# Altium PCB Main_Board.PcbDoc (part 6 of 19)
Units mil, origin at the board's own origin, x right, y up, seen from the top; angles counter-clockwise.
Board outline 5306 x 6610 mil, 12 copper layers ((L1) Top, (L2) Inner 1, (L3) Inner 2, (L4) Inner 3, (L5) Inner 4, (L6) Inner 5, (L7) Inner 6, (L8) Inner 7, (L9) Inner 8, (L10) Inner 9, (L11) Inner 10, (L12) Bottom), stack 94.81 mil thick; 347 components, 571 nets, 2611 pads, 4053 vias.
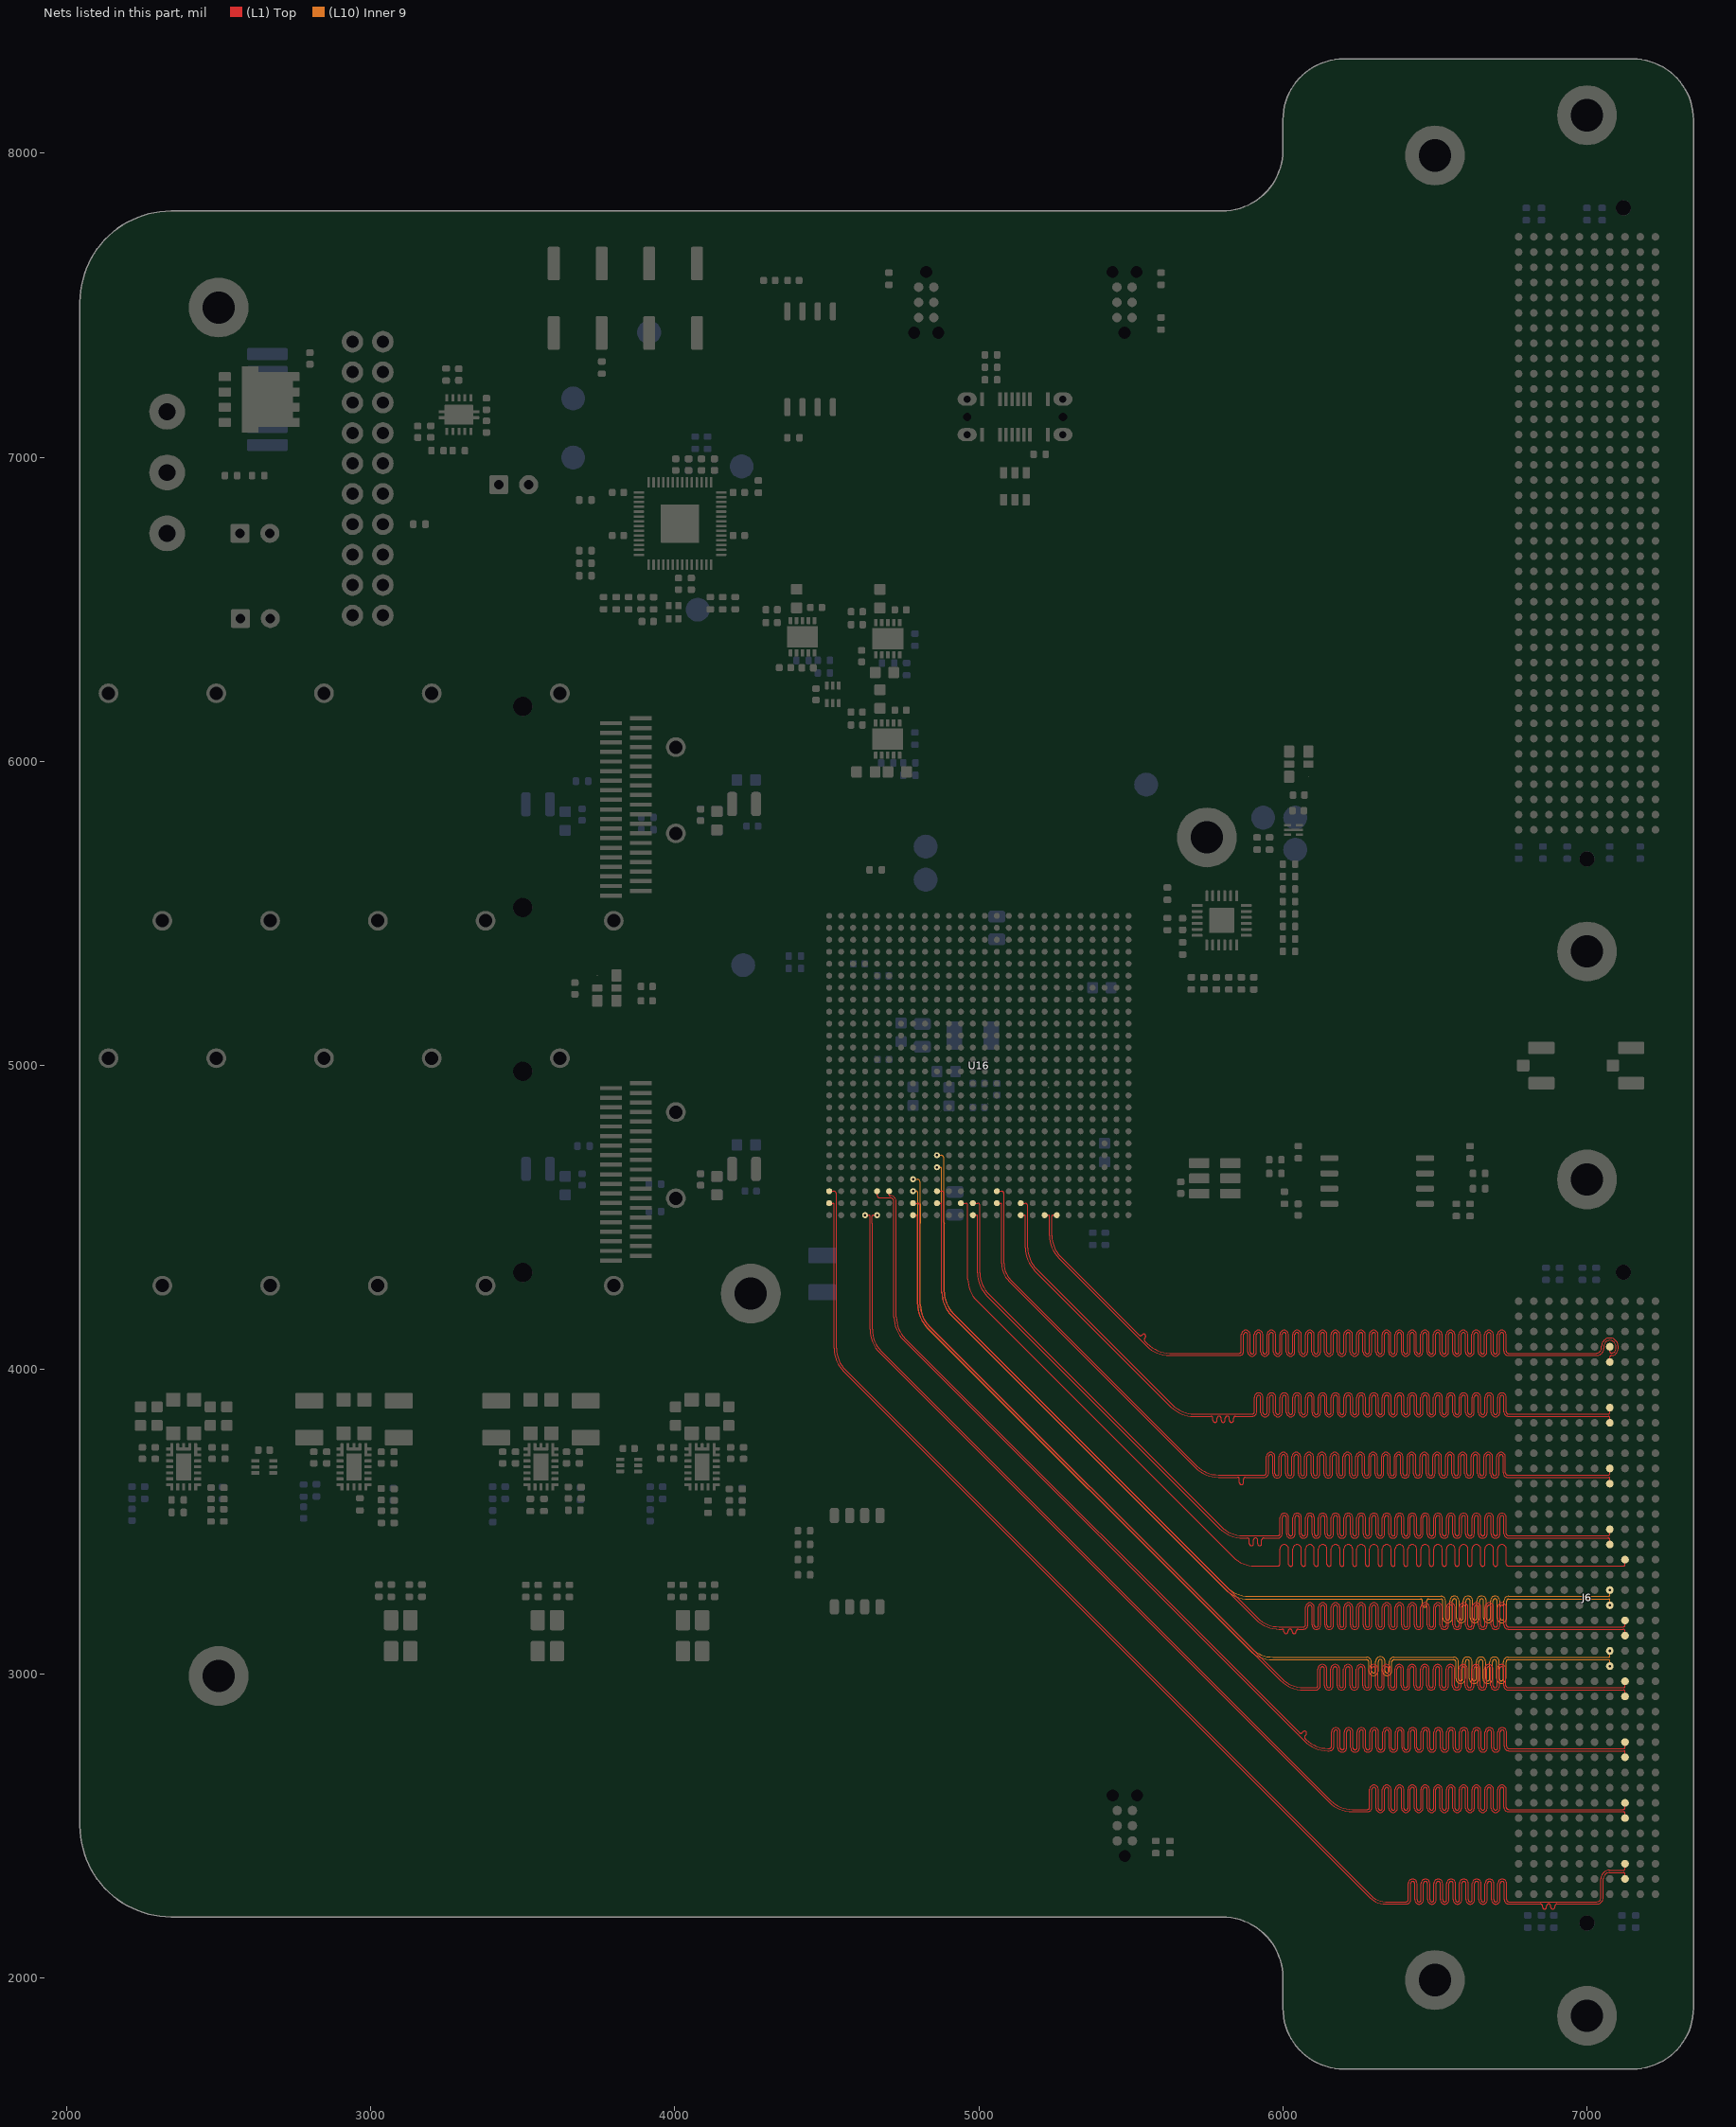
[diagram p16: the nets of this part, all layers, seen from the top]

## Via types
v1: diameter 13.78, hole 7.87, (L1) Top to (L12) Bottom, tented both sides, 4044 vias
v2: diameter 13.78, hole 7.87, (L1) Top to (L12) Bottom, tented bottom, 9 vias

## Nets (pads, with @x,y where several pads share a name; then routed paths per layer and width w, separated by ;. In a path a pad name is that pad's centre, name@x,y a point inside that pad or via, vN(x,y) a via of type N, cw(c..) or ccw(c..) an arc to the next point about the centre after c; other vN are vias at no path point) (continued)
HPCC_A_10_P: J6.C18 U16.AE12 | length 5095.3
  (L1) Top w3.5: U16.AE12@4940.94,4547.24 4956.71,4547.24 cw(c4956.71,4540.6) 4963.35,4540.6 4963.35,4481.45 4963.55,4481.25 4963.55,4297.87 ccw(c5063.55,4297.87) 4992.84,4227.16 5836.71,3383.29 ccw(c5907.42,3454) 5907.42,3354 5978,3354 5983.53,3354 ccw(c5983.53,3360.75) 5990.28,3360.75 5990.28,3410.09 cw(c6004.58,3410.09) 6018.88,3410.09 6018.88,3359.85 ccw(c6025.63,3359.85) 6032.38,3359.85 6032.38,3410.09 cw(c6046.68,3410.09) 6060.98,3410.09 6060.98,3359.85 ccw(c6067.73,3359.85) 6074.48,3359.85 6074.48,3410.09 cw(c6088.78,3410.09) 6103.08,3410.09 6103.08,3359.85 ccw(c6109.83,3359.85) 6116.58,3359.85 6116.58,3410.09 cw(c6130.88,3410.09) 6145.18,3410.09 6145.18,3359.85 ccw(c6151.93,3359.85) 6158.68,3359.85 6158.68,3410.09 cw(c6172.98,3410.09) 6187.28,3410.09 6187.28,3359.85 ccw(c6194.03,3359.85) 6200.78,3359.85 6200.78,3410.09 cw(c6215.08,3410.09) 6229.38,3410.09 6229.38,3359.85 ccw(c6236.13,3359.85) 6242.88,3359.85 6242.88,3410.09 cw(c6257.18,3410.09) 6271.48,3410.09 6271.48,3359.85 ccw(c6278.23,3359.85) 6284.98,3359.85 6284.98,3410.09 cw(c6299.28,3410.09) 6313.58,3410.09 6313.58,3359.85 ccw(c6320.33,3359.85) 6327.08,3359.85 6327.08,3410.09 cw(c6341.38,3410.09) 6355.68,3410.09 6355.68,3359.85 ccw(c6362.43,3359.85) 6369.18,3359.85 6369.18,3410.09 cw(c6383.48,3410.09) 6397.78,3410.09 6397.78,3359.85 ccw(c6404.53,3359.85) 6411.28,3359.85 6411.28,3410.09 cw(c6425.58,3410.09) 6439.88,3410.09 6439.88,3359.85 ccw(c6446.63,3359.85) 6453.38,3359.85 6453.38,3410.09 cw(c6467.68,3410.09) 6481.98,3410.09 6481.98,3359.85 ccw(c6488.73,3359.85) 6495.48,3359.85 6495.48,3410.09 cw(c6509.78,3410.09) 6524.08,3410.09 6524.08,3359.85 ccw(c6530.83,3359.85) 6537.58,3359.85 6537.58,3410.09 cw(c6551.88,3410.09) 6566.18,3410.09 6566.18,3359.85 ccw(c6572.93,3359.85) 6579.68,3359.85 6579.68,3410.09 cw(c6593.98,3410.09) 6608.28,3410.09 6608.28,3359.85 ccw(c6615.03,3359.85) 6621.78,3359.85 6621.78,3410.09 cw(c6636.08,3410.09) 6650.38,3410.09 6650.38,3359.85 ccw(c6657.13,3359.85) 6663.88,3359.85 6663.88,3410.09 cw(c6678.18,3410.09) 6692.48,3410.09 6692.48,3359.85 ccw(c6699.23,3359.85) 6705.98,3359.85 6705.98,3410.09 cw(c6720.28,3410.09) 6734.58,3410.09 6734.58,3360.75 ccw(c6741.33,3360.75) 6741.33,3354 6781,3354 7120,3354 ccw(c7120,3359) 7125,3359 J6.C18@7125,3375
HPCC_A_11_N: J6.C23 U16.AE10 | length 5333.5
  (L1) Top w3.5: U16.AE10@4862.2,4547.24 4873.69,4547.24 cw(c4873.69,4542.94) 4878,4542.94 4878,4255.87 ccw(c4985.55,4255.87) 4909.5,4179.82 5911.37,3177.95 ccw(c5987.42,3254) 5977.92,3146.87 ccw(c5987.42,3254) 5979.67,3146.73 5987.42,3146.45 5996.55,3146.45 cw(c5996.55,3139.7) 6003.3,3139.7 6003.3,3138.78 ccw(c6010.05,3138.78) 6016.8,3138.78 6016.8,3139.9 cw(c6023.55,3139.9) 6030.3,3139.9 6030.3,3138.78 ccw(c6037.05,3138.78) 6043.8,3138.78 6043.8,3139.7 cw(c6050.55,3139.7) 6050.55,3146.45 6061.69,3146.45 6062.19,3146.45 6067.71,3146.45 ccw(c6067.71,3160.75) 6082.01,3160.75 6082.01,3218.39 cw(c6088.76,3218.39) 6095.51,3218.39 6095.51,3160.01 ccw(c6109.81,3160.01) 6124.11,3160.01 6124.11,3218.39 cw(c6130.86,3218.39) 6137.61,3218.39 6137.61,3160.01 ccw(c6151.91,3160.01) 6166.21,3160.01 6166.21,3218.39 cw(c6172.96,3218.39) 6179.71,3218.39 6179.71,3160.01 ccw(c6194.01,3160.01) 6208.31,3160.01 6208.31,3218.39 cw(c6215.06,3218.39) 6221.81,3218.39 6221.81,3160.01 ccw(c6236.11,3160.01) 6250.41,3160.01 6250.41,3218.39 cw(c6257.16,3218.39) 6263.91,3218.39 6263.91,3160.01 ccw(c6278.21,3160.01) 6292.51,3160.01 6292.51,3218.39 cw(c6299.26,3218.39) 6306.01,3218.39 6306.01,3160.01 ccw(c6320.31,3160.01) 6334.61,3160.01 6334.61,3218.39 cw(c6341.36,3218.39) 6348.11,3218.39 6348.11,3160.01 ccw(c6362.41,3160.01) 6376.71,3160.01 6376.71,3218.39 cw(c6383.46,3218.39) 6390.21,3218.39 6390.21,3160.01 ccw(c6404.51,3160.01) 6418.81,3160.01 6418.81,3218.39 cw(c6425.56,3218.39) 6432.31,3218.39 6432.31,3160.01 ccw(c6446.61,3160.01) 6460.91,3160.01 6460.91,3218.39 cw(c6467.66,3218.39) 6474.41,3218.39 6474.41,3160.01 ccw(c6488.71,3160.01) 6503.01,3160.01 6503.01,3218.39 cw(c6509.76,3218.39) 6516.51,3218.39 6516.51,3160.01 ccw(c6530.81,3160.01) 6545.11,3160.01 6545.11,3218.39 cw(c6551.86,3218.39) 6558.61,3218.39 6558.61,3160.01 ccw(c6572.91,3160.01) 6587.21,3160.01 6587.21,3218.39 cw(c6593.96,3218.39) 6600.71,3218.39 6600.71,3160.01 ccw(c6615.01,3160.01) 6629.31,3160.01 6629.31,3218.39 cw(c6636.06,3218.39) 6642.81,3218.39 6642.81,3160.01 ccw(c6657.11,3160.01) 6671.41,3160.01 6671.41,3218.39 cw(c6678.16,3218.39) 6684.91,3218.39 6684.91,3160.01 ccw(c6699.21,3160.01) 6713.51,3160.01 6713.51,3218.39 cw(c6720.26,3218.39) 6727.01,3218.39 6727.01,3160.75 ccw(c6741.31,3160.75) 6741.31,3146.45 6777,3146.45 7119,3146.45 cw(c7119,3140.45) 7125,3140.45 J6.C23@7125,3125
HPCC_A_11_P: J6.C22 U16.AD10 | length 5331.5
  (L1) Top w3.5: U16.AD10@4862.2,4586.61 4877.37,4586.61 cw(c4877.37,4578.64) 4885.35,4578.64 4885.35,4481.45 4885.55,4481.25 4885.55,4255.87 ccw(c4985.55,4255.87) 4914.84,4185.16 5916.71,3183.29 ccw(c5987.42,3254) 5987.42,3154 6062.19,3154 6067.71,3154 ccw(c6067.71,3160.75) 6074.46,3160.75 6074.46,3218.39 cw(c6088.76,3218.39) 6103.06,3218.39 6103.06,3160.01 ccw(c6109.81,3160.01) 6116.56,3160.01 6116.56,3218.39 cw(c6130.86,3218.39) 6145.16,3218.39 6145.16,3160.01 ccw(c6151.91,3160.01) 6158.66,3160.01 6158.66,3218.39 cw(c6172.96,3218.39) 6187.26,3218.39 6187.26,3160.01 ccw(c6194.01,3160.01) 6200.76,3160.01 6200.76,3218.39 cw(c6215.06,3218.39) 6229.36,3218.39 6229.36,3160.01 ccw(c6236.11,3160.01) 6242.86,3160.01 6242.86,3218.39 cw(c6257.16,3218.39) 6271.46,3218.39 6271.46,3160.01 ccw(c6278.21,3160.01) 6284.96,3160.01 6284.96,3218.39 cw(c6299.26,3218.39) 6313.56,3218.39 6313.56,3160.01 ccw(c6320.31,3160.01) 6327.06,3160.01 6327.06,3218.39 cw(c6341.36,3218.39) 6355.66,3218.39 6355.66,3160.01 ccw(c6362.41,3160.01) 6369.16,3160.01 6369.16,3218.39 cw(c6383.46,3218.39) 6397.76,3218.39 6397.76,3160.01 ccw(c6404.51,3160.01) 6411.26,3160.01 6411.26,3218.39 cw(c6425.56,3218.39) 6439.86,3218.39 6439.86,3160.01 ccw(c6446.61,3160.01) 6453.36,3160.01 6453.36,3218.39 cw(c6467.66,3218.39) 6481.96,3218.39 6481.96,3160.01 ccw(c6488.71,3160.01) 6495.46,3160.01 6495.46,3218.39 cw(c6509.76,3218.39) 6524.06,3218.39 6524.06,3160.01 ccw(c6530.81,3160.01) 6537.56,3160.01 6537.56,3218.39 cw(c6551.86,3218.39) 6566.16,3218.39 6566.16,3160.01 ccw(c6572.91,3160.01) 6579.66,3160.01 6579.66,3218.39 cw(c6593.96,3218.39) 6608.26,3218.39 6608.26,3160.01 ccw(c6615.01,3160.01) 6621.76,3160.01 6621.76,3218.39 cw(c6636.06,3218.39) 6650.36,3218.39 6650.36,3160.01 ccw(c6657.11,3160.01) 6663.86,3160.01 6663.86,3218.39 cw(c6678.16,3218.39) 6692.46,3218.39 6692.46,3160.01 ccw(c6699.21,3160.01) 6705.96,3160.01 6705.96,3218.39 cw(c6720.26,3218.39) 6734.56,3218.39 6734.56,3160.75 ccw(c6741.31,3160.75) 6741.31,3154 6777,3154 7119,3154 ccw(c7119,3160) 7125,3160 J6.C22@7125,3175
HPCC_A_12_N: J6.C27 U16.AF8 | length 5210.4
  (L1) Top w3.5: U16.AF8@4783.46,4507.87 4792.13,4507.87 cw(c4792.13,4502) 4798,4502 4798,4215.87 ccw(c4905.55,4215.87) 4829.5,4139.82 5991.37,2977.95 ccw(c6067.42,3054) 6067.42,2946.45 6103.04,2946.45 6108.56,2946.45 ccw(c6108.56,2960.75) 6122.86,2960.75 6122.86,3015.86 cw(c6129.61,3015.86) 6136.36,3015.86 6136.36,2960.62 ccw(c6150.66,2960.62) 6164.96,2960.62 6164.96,3015.86 cw(c6171.71,3015.86) 6178.46,3015.86 6178.46,2960.62 ccw(c6192.76,2960.62) 6207.06,2960.62 6207.06,3015.86 cw(c6213.81,3015.86) 6220.56,3015.86 6220.56,2960.62 ccw(c6234.86,2960.62) 6249.16,2960.62 6249.16,3015.86 cw(c6255.91,3015.86) 6262.66,3015.86 6262.66,2960.62 ccw(c6276.96,2960.62) 6291.26,2960.62 6291.26,3015.86 cw(c6298.01,3015.86) 6304.76,3015.86 6304.76,2960.62 ccw(c6319.06,2960.62) 6333.36,2960.62 6333.36,3015.86 cw(c6340.11,3015.86) 6346.86,3015.86 6346.86,2960.62 ccw(c6361.16,2960.62) 6375.46,2960.62 6375.46,3015.86 cw(c6382.21,3015.86) 6388.96,3015.86 6388.96,2960.62 ccw(c6403.26,2960.62) 6417.56,2960.62 6417.56,3015.86 cw(c6424.31,3015.86) 6431.06,3015.86 6431.06,2960.62 ccw(c6445.36,2960.62) 6459.66,2960.62 6459.66,3015.86 cw(c6466.41,3015.86) 6473.16,3015.86 6473.16,2960.62 ccw(c6487.46,2960.62) 6501.76,2960.62 6501.76,3015.86 cw(c6508.51,3015.86) 6515.26,3015.86 6515.26,2960.62 ccw(c6529.56,2960.62) 6543.86,2960.62 6543.86,3015.86 cw(c6550.61,3015.86) 6557.36,3015.86 6557.36,2960.62 ccw(c6571.66,2960.62) 6585.96,2960.62 6585.96,3015.86 cw(c6592.71,3015.86) 6599.46,3015.86 6599.46,2960.62 ccw(c6613.76,2960.62) 6628.06,2960.62 6628.06,3015.86 cw(c6634.81,3015.86) 6641.56,3015.86 6641.56,2960.62 ccw(c6655.86,2960.62) 6670.16,2960.62 6670.16,3015.86 cw(c6676.91,3015.86) 6683.66,3015.86 6683.66,2960.62 ccw(c6697.96,2960.62) 6712.26,2960.62 6712.26,3015.86 cw(c6719.01,3015.86) 6725.76,3015.86 6725.76,2960.75 ccw(c6740.06,2960.75) 6740.06,2946.45 6801.67,2946.45 7120,2946.45 cw(c7120,2941.45) 7125,2941.45 J6.C27@7125,2925
HPCC_A_12_P: J6.C26 U16.AE8 | length 5244.6
  (L1) Top w3.5: U16.AE8@4783.46,4547.24 4798.77,4547.24 cw(c4798.77,4540.67) 4805.35,4540.67 4805.35,4481.45 4805.55,4481.25 4805.55,4215.87 ccw(c4905.55,4215.87) 4834.84,4145.16 5996.71,2983.29 ccw(c6067.42,3054) 6067.42,2954 6103.04,2954 6108.56,2954 ccw(c6108.56,2960.75) 6115.31,2960.75 6115.31,3015.86 cw(c6129.61,3015.86) 6143.91,3015.86 6143.91,2960.62 ccw(c6150.66,2960.62) 6157.41,2960.62 6157.41,3015.86 cw(c6171.71,3015.86) 6186.01,3015.86 6186.01,2960.62 ccw(c6192.76,2960.62) 6199.51,2960.62 6199.51,3015.86 cw(c6213.81,3015.86) 6228.11,3015.86 6228.11,2960.62 ccw(c6234.86,2960.62) 6241.61,2960.62 6241.61,3015.86 cw(c6255.91,3015.86) 6270.21,3015.86 6270.21,2960.62 ccw(c6276.96,2960.62) 6283.71,2960.62 6283.71,3015.86 cw(c6298.01,3015.86) 6312.31,3015.86 6312.31,2960.62 ccw(c6319.06,2960.62) 6325.81,2960.62 6325.81,3015.86 cw(c6340.11,3015.86) 6354.41,3015.86 6354.41,2960.62 ccw(c6361.16,2960.62) 6367.91,2960.62 6367.91,3015.86 cw(c6382.21,3015.86) 6396.51,3015.86 6396.51,2960.62 ccw(c6403.26,2960.62) 6410.01,2960.62 6410.01,3015.86 cw(c6424.31,3015.86) 6438.61,3015.86 6438.61,2960.62 ccw(c6445.36,2960.62) 6452.11,2960.62 6452.11,3015.86 cw(c6466.41,3015.86) 6480.71,3015.86 6480.71,2960.62 ccw(c6487.46,2960.62) 6494.21,2960.62 6494.21,3015.86 cw(c6508.51,3015.86) 6522.81,3015.86 6522.81,2960.62 ccw(c6529.56,2960.62) 6536.31,2960.62 6536.31,3015.86 cw(c6550.61,3015.86) 6564.91,3015.86 6564.91,2960.62 ccw(c6571.66,2960.62) 6578.41,2960.62 6578.41,3015.86 cw(c6592.71,3015.86) 6607.01,3015.86 6607.01,2960.62 ccw(c6613.76,2960.62) 6620.51,2960.62 6620.51,3015.86 cw(c6634.81,3015.86) 6649.11,3015.86 6649.11,2960.62 ccw(c6655.86,2960.62) 6662.61,2960.62 6662.61,3015.86 cw(c6676.91,3015.86) 6691.21,3015.86 6691.21,2960.62 ccw(c6697.96,2960.62) 6704.71,2960.62 6704.71,3015.86 cw(c6719.01,3015.86) 6733.31,3015.86 6733.31,2960.75 ccw(c6740.06,2960.75) 6740.06,2954 6801.67,2954 7120,2954 ccw(c7120,2959) 7125,2959 J6.C26@7125,2975
HPCC_A_13_N: J6.C31 U16.AD5 | length 5265.4
  (L1) Top w3.5: U16.AD5@4665.35,4586.61 4665.35,4573.55 ccw(c4674.25,4573.55) 4674.25,4564.65 4708,4564.65 cw(c4708,4551.65) 4721,4551.65 4721,4172.87 ccw(c4828.55,4172.87) 4752.5,4096.82 6071.37,2777.95 ccw(c6147.42,2854) 6147.42,2746.45 6152.95,2746.45 ccw(c6152.95,2760.75) 6167.25,2760.75 6167.25,2808.03 cw(c6174,2808.03) 6180.75,2808.03 6180.75,2756.39 ccw(c6195.05,2756.39) 6209.35,2756.39 6209.35,2808.03 cw(c6216.1,2808.03) 6222.85,2808.03 6222.85,2756.39 ccw(c6237.15,2756.39) 6251.45,2756.39 6251.45,2808.03 cw(c6258.2,2808.03) 6264.95,2808.03 6264.95,2756.39 ccw(c6279.25,2756.39) 6293.55,2756.39 6293.55,2808.03 cw(c6300.3,2808.03) 6307.05,2808.03 6307.05,2756.39 ccw(c6321.35,2756.39) 6335.65,2756.39 6335.65,2808.03 cw(c6342.4,2808.03) 6349.15,2808.03 6349.15,2756.39 ccw(c6363.45,2756.39) 6377.75,2756.39 6377.75,2808.03 cw(c6384.5,2808.03) 6391.25,2808.03 6391.25,2756.39 ccw(c6405.55,2756.39) 6419.85,2756.39 6419.85,2808.03 cw(c6426.6,2808.03) 6433.35,2808.03 6433.35,2756.39 ccw(c6447.65,2756.39) 6461.95,2756.39 6461.95,2808.03 cw(c6468.7,2808.03) 6475.45,2808.03 6475.45,2756.39 ccw(c6489.75,2756.39) 6504.05,2756.39 6504.05,2808.03 cw(c6510.8,2808.03) 6517.55,2808.03 6517.55,2756.39 ccw(c6531.85,2756.39) 6546.15,2756.39 6546.15,2808.03 cw(c6552.9,2808.03) 6559.65,2808.03 6559.65,2756.39 ccw(c6573.95,2756.39) 6588.25,2756.39 6588.25,2808.03 cw(c6595,2808.03) 6601.75,2808.03 6601.75,2756.39 ccw(c6616.05,2756.39) 6630.35,2756.39 6630.35,2808.03 cw(c6637.1,2808.03) 6643.85,2808.03 6643.85,2756.39 ccw(c6658.15,2756.39) 6672.45,2756.39 6672.45,2808.03 cw(c6679.2,2808.03) 6685.95,2808.03 6685.95,2756.39 ccw(c6700.25,2756.39) 6714.55,2756.39 6714.55,2808.03 cw(c6721.3,2808.03) 6728.05,2808.03 6728.05,2760.75 ccw(c6742.35,2760.75) 6742.35,2746.45 6776,2746.45 7122,2746.45 cw(c7122,2743.45) 7125,2743.45 J6.C31@7125,2725
HPCC_A_13_P: J6.C30 U16.AD6 | length 5244.7
  (L1) Top w3.5: U16.AD6@4704.72,4586.61 4704.72,4575.28 ccw(c4708,4575.28) 4708,4572 cw(c4708,4551.65) 4728.35,4551.65 4728.35,4481.45 4728.55,4481.25 4728.55,4172.87 ccw(c4828.55,4172.87) 4757.84,4102.16 6034.95,2825.05 6054.08,2805.92 ccw(c6058.85,2810.69) 6063.62,2805.92 6066.74,2809.04 cw(c6071.51,2804.26) 6076.28,2809.04 cw(c6071.51,2804.26) 6076.28,2799.49 6073.17,2796.38 ccw(c6077.94,2791.6) 6073.17,2786.83 6076.71,2783.29 6082.97,2777.54 ccw(c6147.42,2854) 6084.33,2776.42 ccw(c6147.42,2854) 6147.42,2754 6152.95,2754 ccw(c6152.95,2760.75) 6159.7,2760.75 6159.7,2808.03 cw(c6174,2808.03) 6188.3,2808.03 6188.3,2756.39 ccw(c6195.05,2756.39) 6201.8,2756.39 6201.8,2808.03 cw(c6216.1,2808.03) 6230.4,2808.03 6230.4,2756.39 ccw(c6237.15,2756.39) 6243.9,2756.39 6243.9,2808.03 cw(c6258.2,2808.03) 6272.5,2808.03 6272.5,2756.39 ccw(c6279.25,2756.39) 6286,2756.39 6286,2808.03 cw(c6300.3,2808.03) 6314.6,2808.03 6314.6,2756.39 ccw(c6321.35,2756.39) 6328.1,2756.39 6328.1,2808.03 cw(c6342.4,2808.03) 6356.7,2808.03 6356.7,2756.39 ccw(c6363.45,2756.39) 6370.2,2756.39 6370.2,2808.03 cw(c6384.5,2808.03) 6398.8,2808.03 6398.8,2756.39 ccw(c6405.55,2756.39) 6412.3,2756.39 6412.3,2808.03 cw(c6426.6,2808.03) 6440.9,2808.03 6440.9,2756.39 ccw(c6447.65,2756.39) 6454.4,2756.39 6454.4,2808.03 cw(c6468.7,2808.03) 6483,2808.03 6483,2756.39 ccw(c6489.75,2756.39) 6496.5,2756.39 6496.5,2808.03 cw(c6510.8,2808.03) 6525.1,2808.03 6525.1,2756.39 ccw(c6531.85,2756.39) 6538.6,2756.39 6538.6,2808.03 cw(c6552.9,2808.03) 6567.2,2808.03 6567.2,2756.39 ccw(c6573.95,2756.39) 6580.7,2756.39 6580.7,2808.03 cw(c6595,2808.03) 6609.3,2808.03 6609.3,2756.39 ccw(c6616.05,2756.39) 6622.8,2756.39 6622.8,2808.03 cw(c6637.1,2808.03) 6651.4,2808.03 6651.4,2756.39 ccw(c6658.15,2756.39) 6664.9,2756.39 6664.9,2808.03 cw(c6679.2,2808.03) 6693.5,2808.03 6693.5,2756.39 ccw(c6700.25,2756.39) 6707,2756.39 6707,2808.03 cw(c6721.3,2808.03) 6735.6,2808.03 6735.6,2760.75 ccw(c6742.35,2760.75) 6742.35,2754 6776,2754 7122,2754 ccw(c7122,2757) 7125,2757 J6.C30@7125,2775
HPCC_A_14_N: J6.C35 U16.AF4 | length 5169
  (L1) Top w3.5: v1(4625.98,4507.87) 4638.49,4507.87 cw(c4638.49,4504.37) 4640.97,4506.85 cw(c4638.49,4504.37) 4641.99,4504.37 4641.99,4131.88 ccw(c4749.54,4131.88) 4673.49,4055.83 6151.8,2577.52 ccw(c6227.85,2653.57) 6227.85,2546.02 6228,2546.02 6278.32,2546.02 ccw(c6278.32,2560.32) 6292.62,2560.32 6292.62,2619.14 cw(c6299.37,2619.14) 6306.12,2619.14 6306.12,2558.1 ccw(c6320.42,2558.1) 6334.72,2558.1 6334.72,2619.14 cw(c6341.47,2619.14) 6348.22,2619.14 6348.22,2558.1 ccw(c6362.52,2558.1) 6376.82,2558.1 6376.82,2619.14 cw(c6383.57,2619.14) 6390.32,2619.14 6390.32,2558.1 ccw(c6404.62,2558.1) 6418.92,2558.1 6418.92,2619.14 cw(c6425.67,2619.14) 6432.42,2619.14 6432.42,2558.1 ccw(c6446.72,2558.1) 6461.02,2558.1 6461.02,2619.14 cw(c6467.77,2619.14) 6474.52,2619.14 6474.52,2558.1 ccw(c6488.82,2558.1) 6503.12,2558.1 6503.12,2619.14 cw(c6509.87,2619.14) 6516.62,2619.14 6516.62,2558.1 ccw(c6530.92,2558.1) 6545.22,2558.1 6545.22,2619.14 cw(c6551.97,2619.14) 6558.72,2619.14 6558.72,2558.1 ccw(c6573.02,2558.1) 6587.32,2558.1 6587.32,2619.14 cw(c6594.07,2619.14) 6600.82,2619.14 6600.82,2558.1 ccw(c6615.12,2558.1) 6629.42,2558.1 6629.42,2619.14 cw(c6636.17,2619.14) 6642.92,2619.14 6642.92,2558.1 ccw(c6657.22,2558.1) 6671.52,2558.1 6671.52,2619.14 cw(c6678.27,2619.14) 6685.02,2619.14 6685.02,2558.1 ccw(c6699.32,2558.1) 6713.62,2558.1 6713.62,2619.14 cw(c6720.37,2619.14) 6727.12,2619.14 6727.12,2560.32 ccw(c6741.42,2560.32) 6741.42,2546.02 6768,2546.02 7120,2546.02 cw(c7120,2541.02) 7125,2541.02 J6.C35@7125,2525
HPCC_A_14_P: J6.C34 U16.AF5 | length 5157.6
  (L1) Top w3.5: v1(4665.35,4507.87) 4652.84,4507.87 ccw(c4652.84,4504.37) 4650.37,4506.85 ccw(c4652.84,4504.37) 4649.34,4504.37 4649.34,4481.45 4649.54,4481.25 4649.54,4131.88 ccw(c4749.54,4131.88) 4678.83,4061.17 6157.14,2582.86 ccw(c6227.85,2653.57) 6227.85,2553.57 6228,2553.57 6278.32,2553.57 ccw(c6278.32,2560.32) 6285.07,2560.32 6285.07,2619.14 cw(c6299.37,2619.14) 6313.67,2619.14 6313.67,2558.1 ccw(c6320.42,2558.1) 6327.17,2558.1 6327.17,2619.14 cw(c6341.47,2619.14) 6355.77,2619.14 6355.77,2558.1 ccw(c6362.52,2558.1) 6369.27,2558.1 6369.27,2619.14 cw(c6383.57,2619.14) 6397.87,2619.14 6397.87,2558.1 ccw(c6404.62,2558.1) 6411.37,2558.1 6411.37,2619.14 cw(c6425.67,2619.14) 6439.97,2619.14 6439.97,2558.1 ccw(c6446.72,2558.1) 6453.47,2558.1 6453.47,2619.14 cw(c6467.77,2619.14) 6482.07,2619.14 6482.07,2558.1 ccw(c6488.82,2558.1) 6495.57,2558.1 6495.57,2619.14 cw(c6509.87,2619.14) 6524.17,2619.14 6524.17,2558.1 ccw(c6530.92,2558.1) 6537.67,2558.1 6537.67,2619.14 cw(c6551.97,2619.14) 6566.27,2619.14 6566.27,2558.1 ccw(c6573.02,2558.1) 6579.77,2558.1 6579.77,2619.14 cw(c6594.07,2619.14) 6608.37,2619.14 6608.37,2558.1 ccw(c6615.12,2558.1) 6621.87,2558.1 6621.87,2619.14 cw(c6636.17,2619.14) 6650.47,2619.14 6650.47,2558.1 ccw(c6657.22,2558.1) 6663.97,2558.1 6663.97,2619.14 cw(c6678.27,2619.14) 6692.57,2619.14 6692.57,2558.1 ccw(c6699.32,2558.1) 6706.07,2558.1 6706.07,2619.14 cw(c6720.37,2619.14) 6734.67,2619.14 6734.67,2560.32 ccw(c6741.42,2560.32) 6741.42,2553.57 6768,2553.57 7120,2553.57 ccw(c7120,2558.57) 7125,2558.57 J6.C34@7125,2575
HPCC_A_15_N: J6.C39 U16.AE1 | length 5065.7
  (L1) Top w3.5: U16.AE1@4507.87,4547.24 4519.01,4547.24 cw(c4519.01,4542.26) 4524,4542.26 4524,4069.87 ccw(c4631.55,4069.87) 4555.5,3993.82 6285.37,2263.95 ccw(c6337.28,2315.86) 6337.28,2242.45 6400.07,2242.45 6405.59,2242.45 ccw(c6405.59,2256.75) 6419.89,2256.75 6419.89,2310.15 cw(c6426.64,2310.15) 6433.39,2310.15 6433.39,2256.41 ccw(c6447.69,2256.41) 6461.99,2256.41 6461.99,2310.15 cw(c6468.74,2310.15) 6475.49,2310.15 6475.49,2256.41 ccw(c6489.79,2256.41) 6504.09,2256.41 6504.09,2310.15 cw(c6510.84,2310.15) 6517.59,2310.15 6517.59,2256.41 ccw(c6531.89,2256.41) 6546.19,2256.41 6546.19,2310.15 cw(c6552.94,2310.15) 6559.69,2310.15 6559.69,2256.41 ccw(c6573.99,2256.41) 6588.29,2256.41 6588.29,2310.15 cw(c6595.04,2310.15) 6601.79,2310.15 6601.79,2256.41 ccw(c6616.09,2256.41) 6630.39,2256.41 6630.39,2310.15 cw(c6637.14,2310.15) 6643.89,2310.15 6643.89,2256.41 ccw(c6658.19,2256.41) 6672.49,2256.41 6672.49,2310.15 cw(c6679.24,2310.15) 6685.99,2310.15 6685.99,2256.41 ccw(c6700.29,2256.41) 6714.59,2256.41 6714.59,2310.15 cw(c6721.34,2310.15) 6728.09,2310.15 6728.09,2256.75 ccw(c6742.39,2256.75) 6742.39,2242.45 6789.22,2242.45 6831.74,2242.45 6846.99,2242.45 cw(c6846.99,2235.7) 6853.74,2235.7 6853.74,2232.94 ccw(c6860.49,2232.94) 6867.24,2232.94 6867.24,2235.9 cw(c6873.99,2235.9) 6880.74,2235.9 6880.74,2232.94 ccw(c6887.49,2232.94) 6894.24,2232.94 6894.24,2235.7 cw(c6900.99,2235.7) 6900.99,2242.45 6916.92,2242.45 7032,2242.45 ccw(c7032,2264) 7053.55,2264 7053.55,2325.55 cw(c7074,2325.55) 7074,2346 7120,2346 cw(c7120,2341) 7125,2341 J6.C39@7125,2325